# Altium PCB PCB1.PcbDoc (part 1 of 2)
Units mm, origin at the board's own origin, x right, y up, seen from the top; angles counter-clockwise.
Board outline 96.34 x 69.67 mm, 4 copper layers (Top Layer, 2 Layer, 3 Layer, Bottom Layer), stack 1.706 mm thick; 215 components, 152 nets, 687 pads, 296 vias.
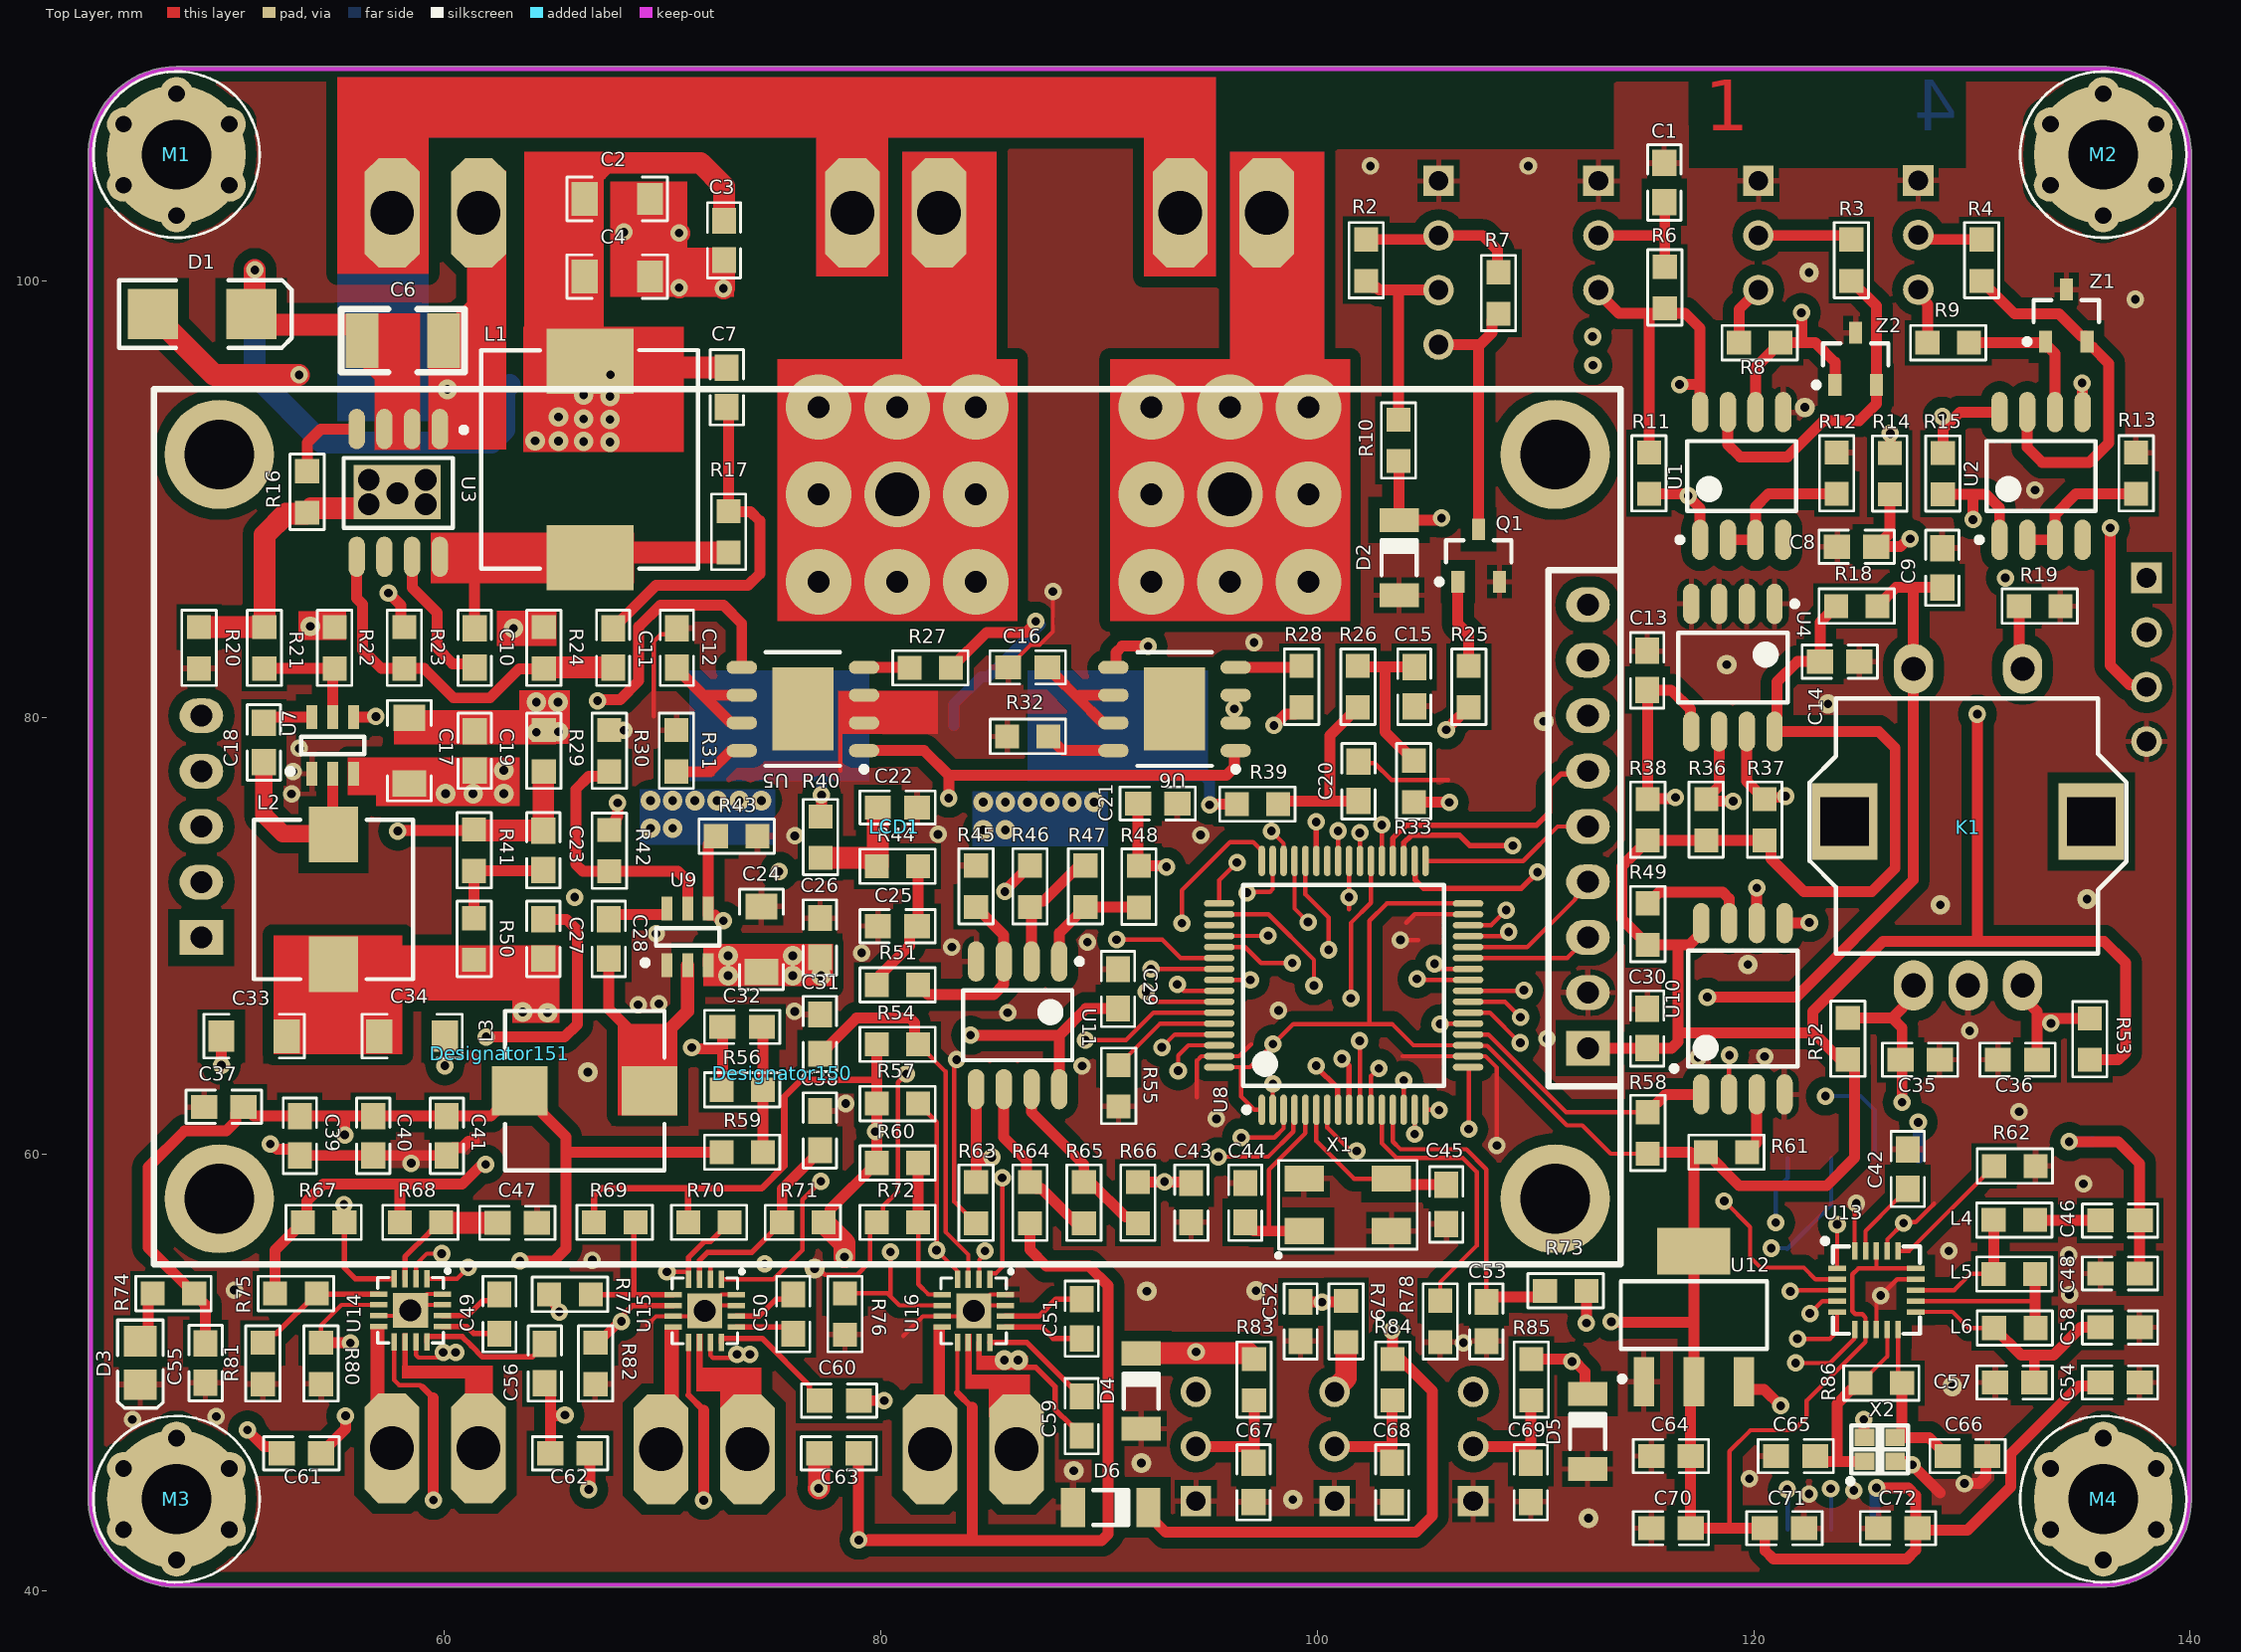
[diagram p0: Top Layer view]
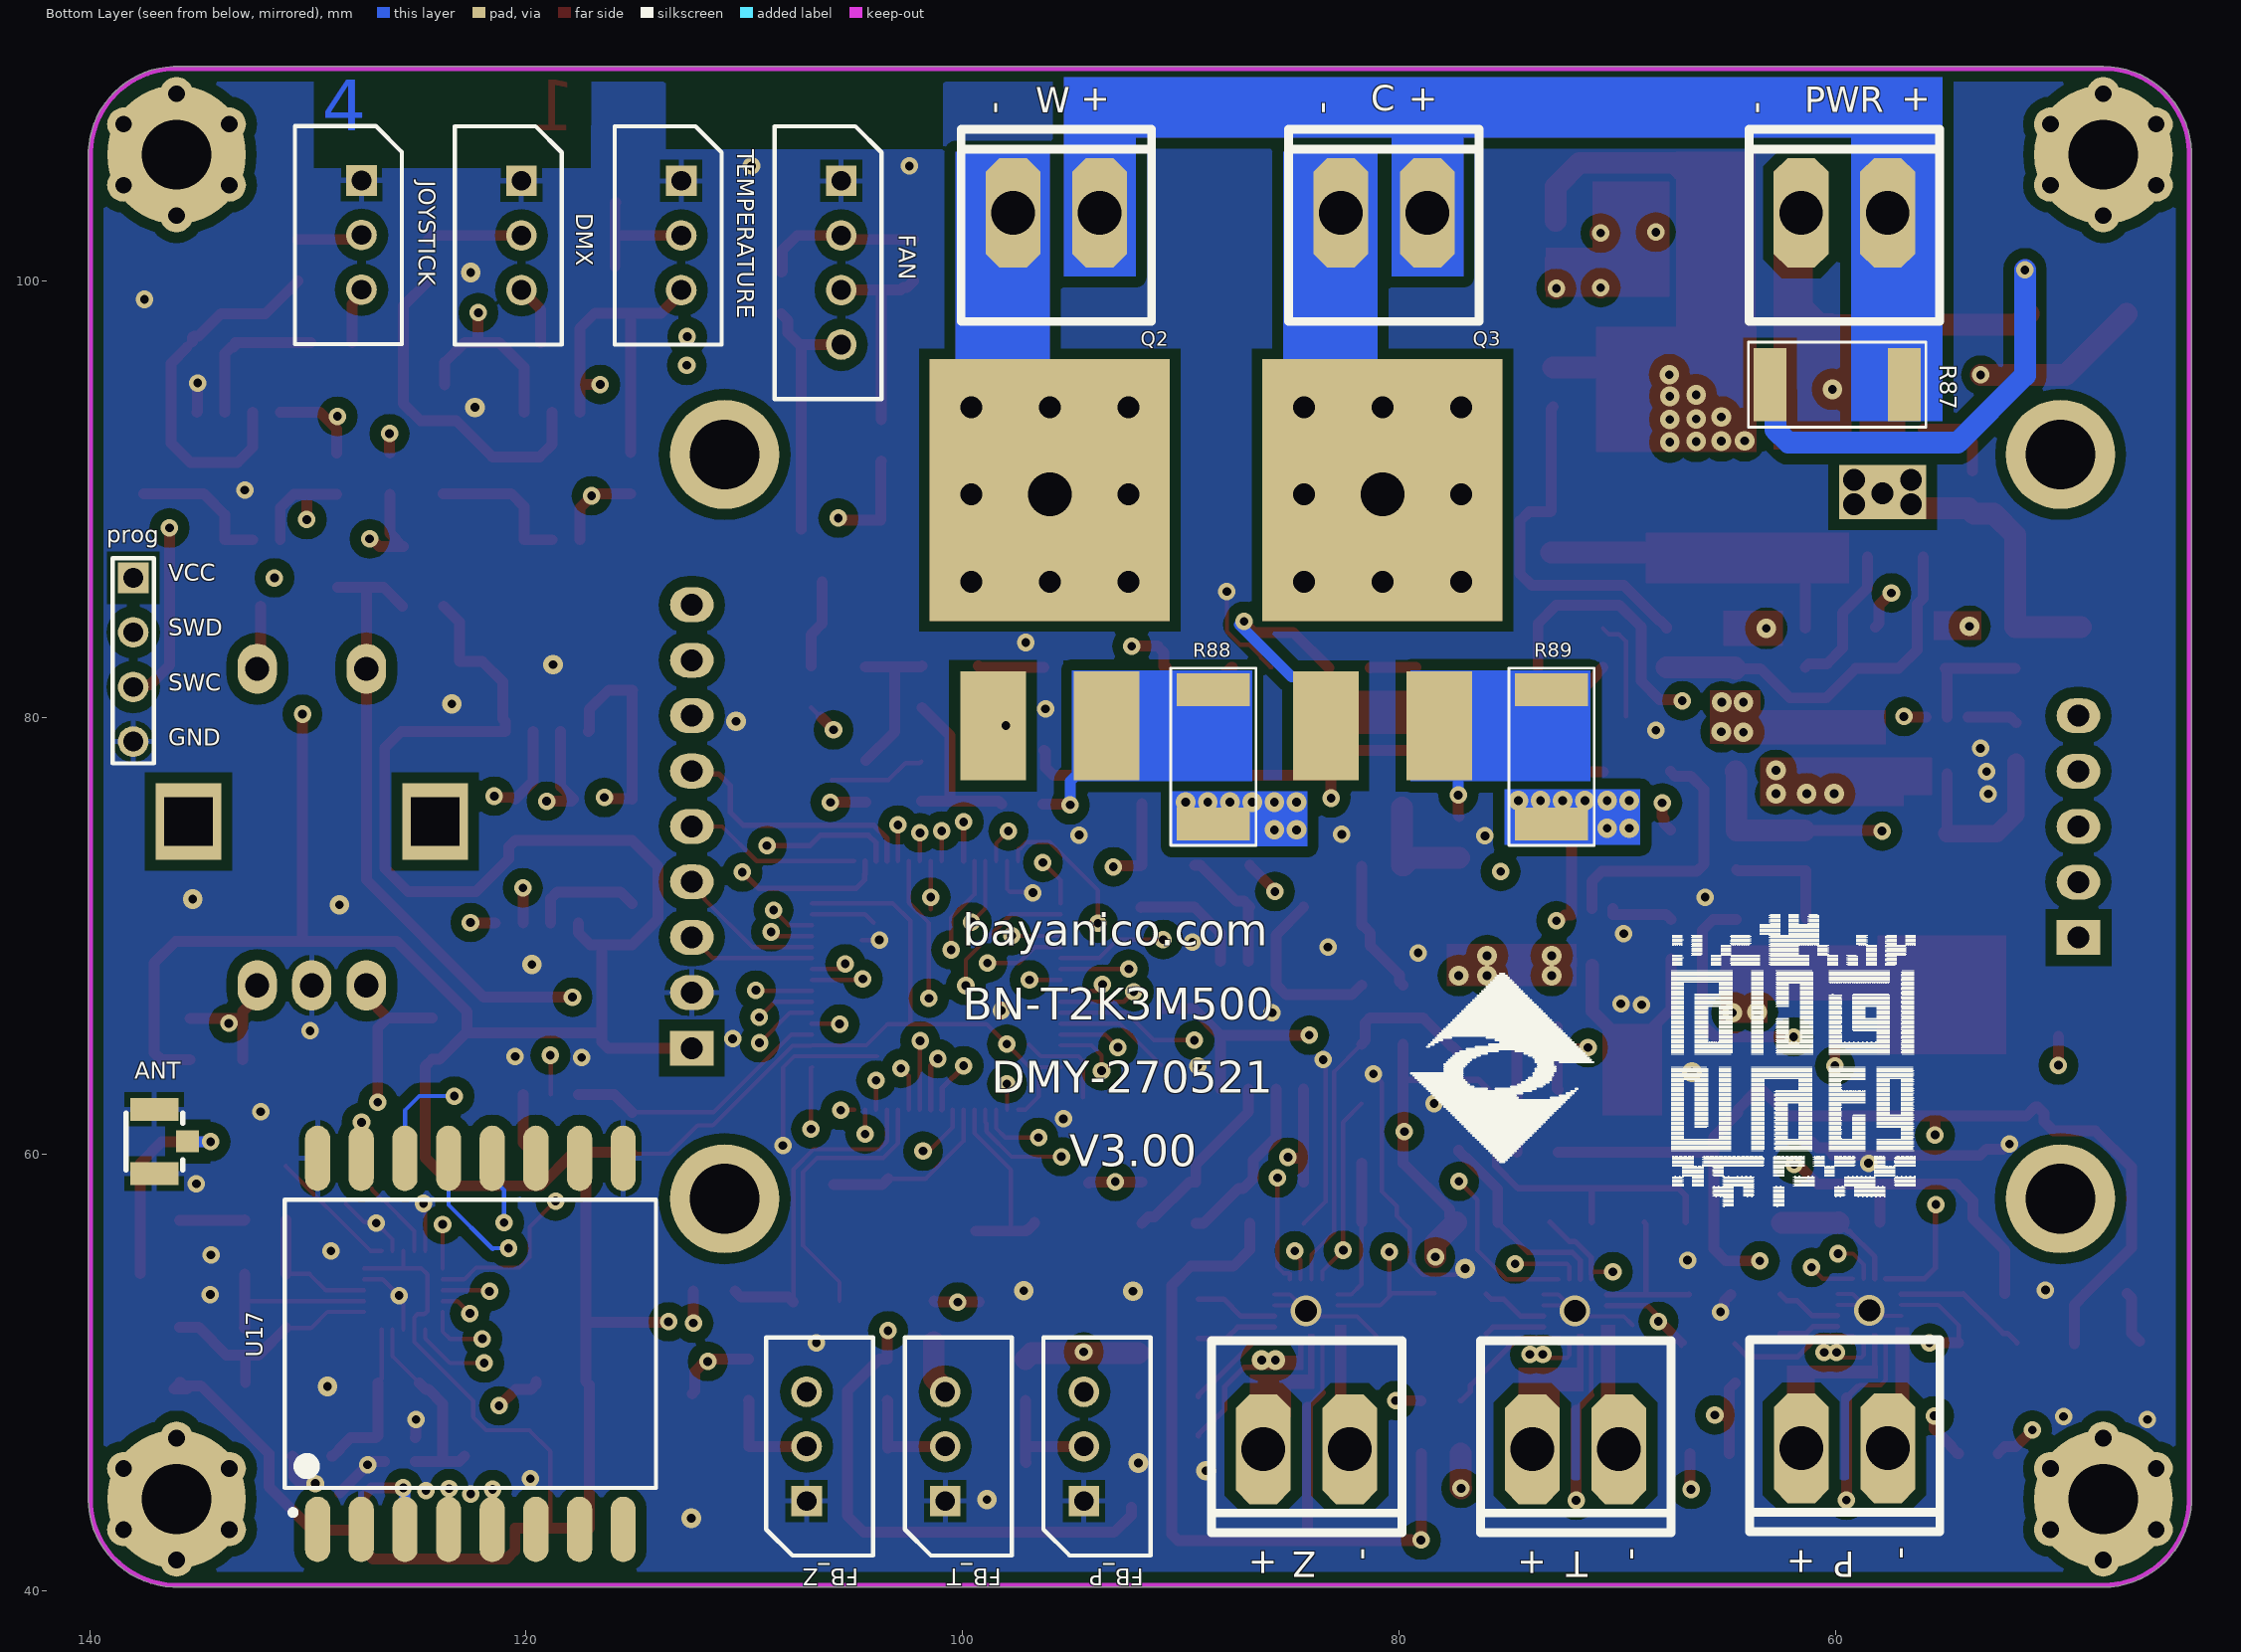
[diagram p1: Bottom Layer view, seen from below]
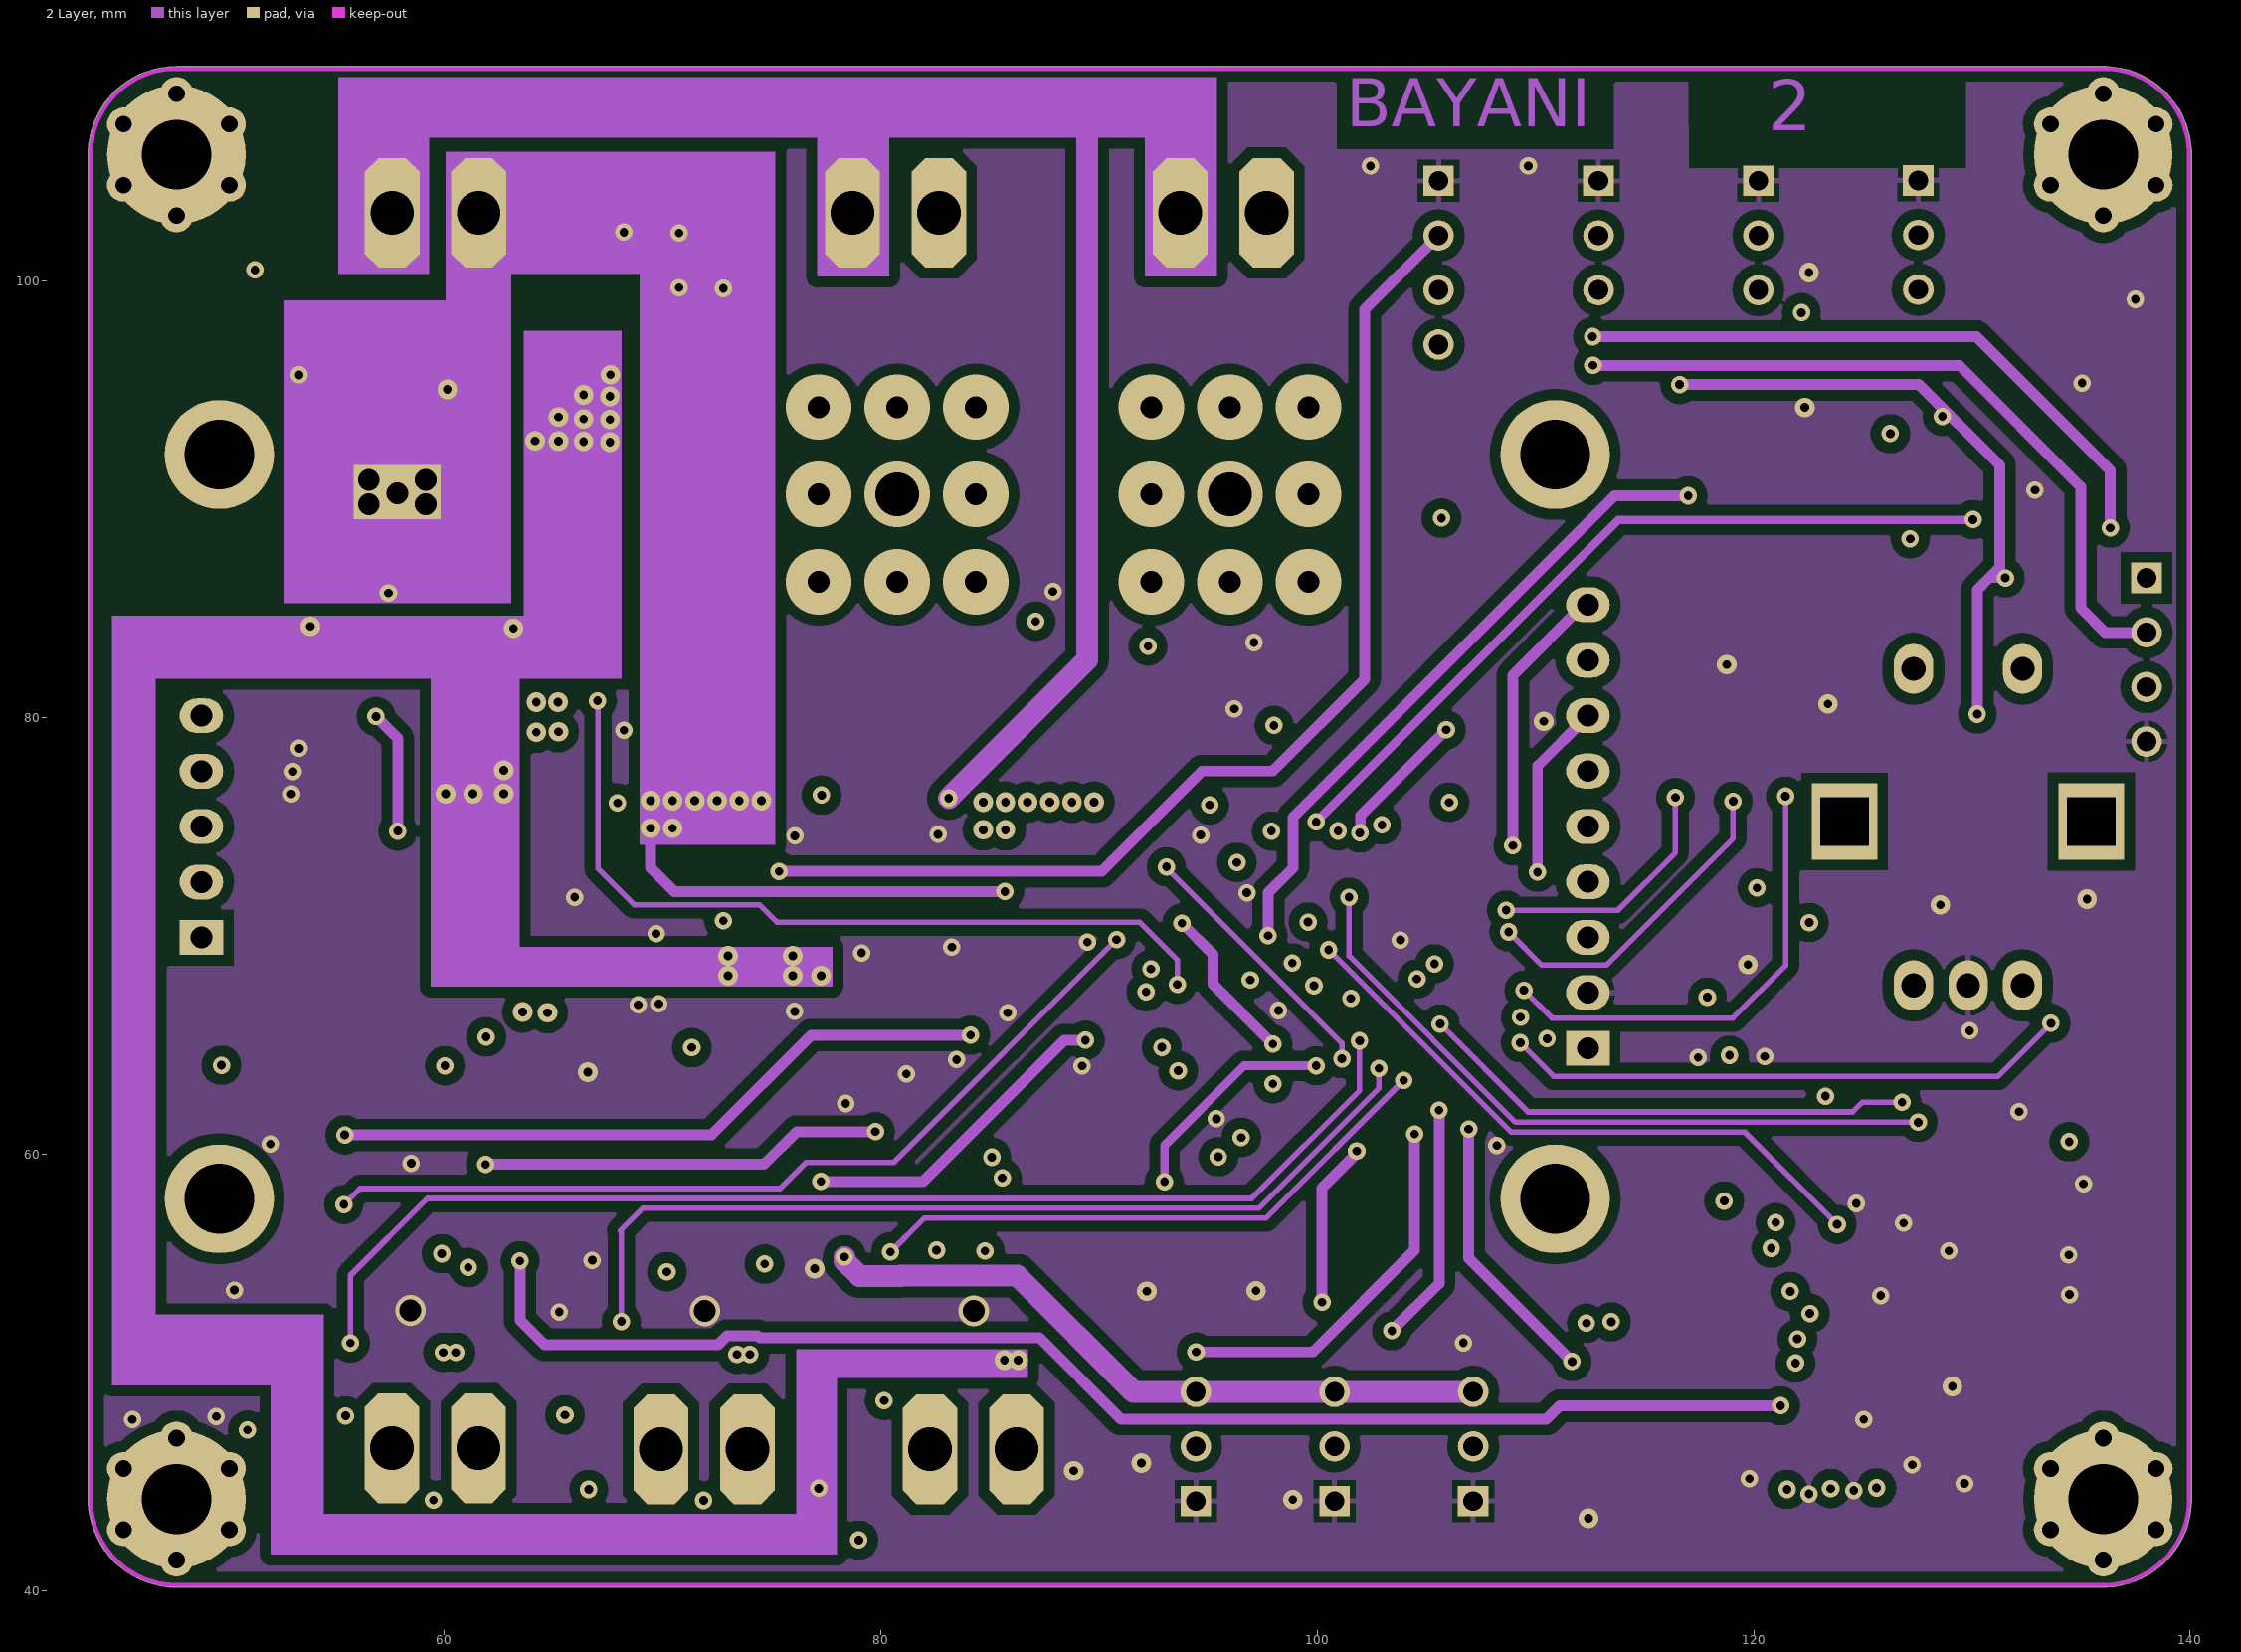
[diagram p2: 2 Layer]
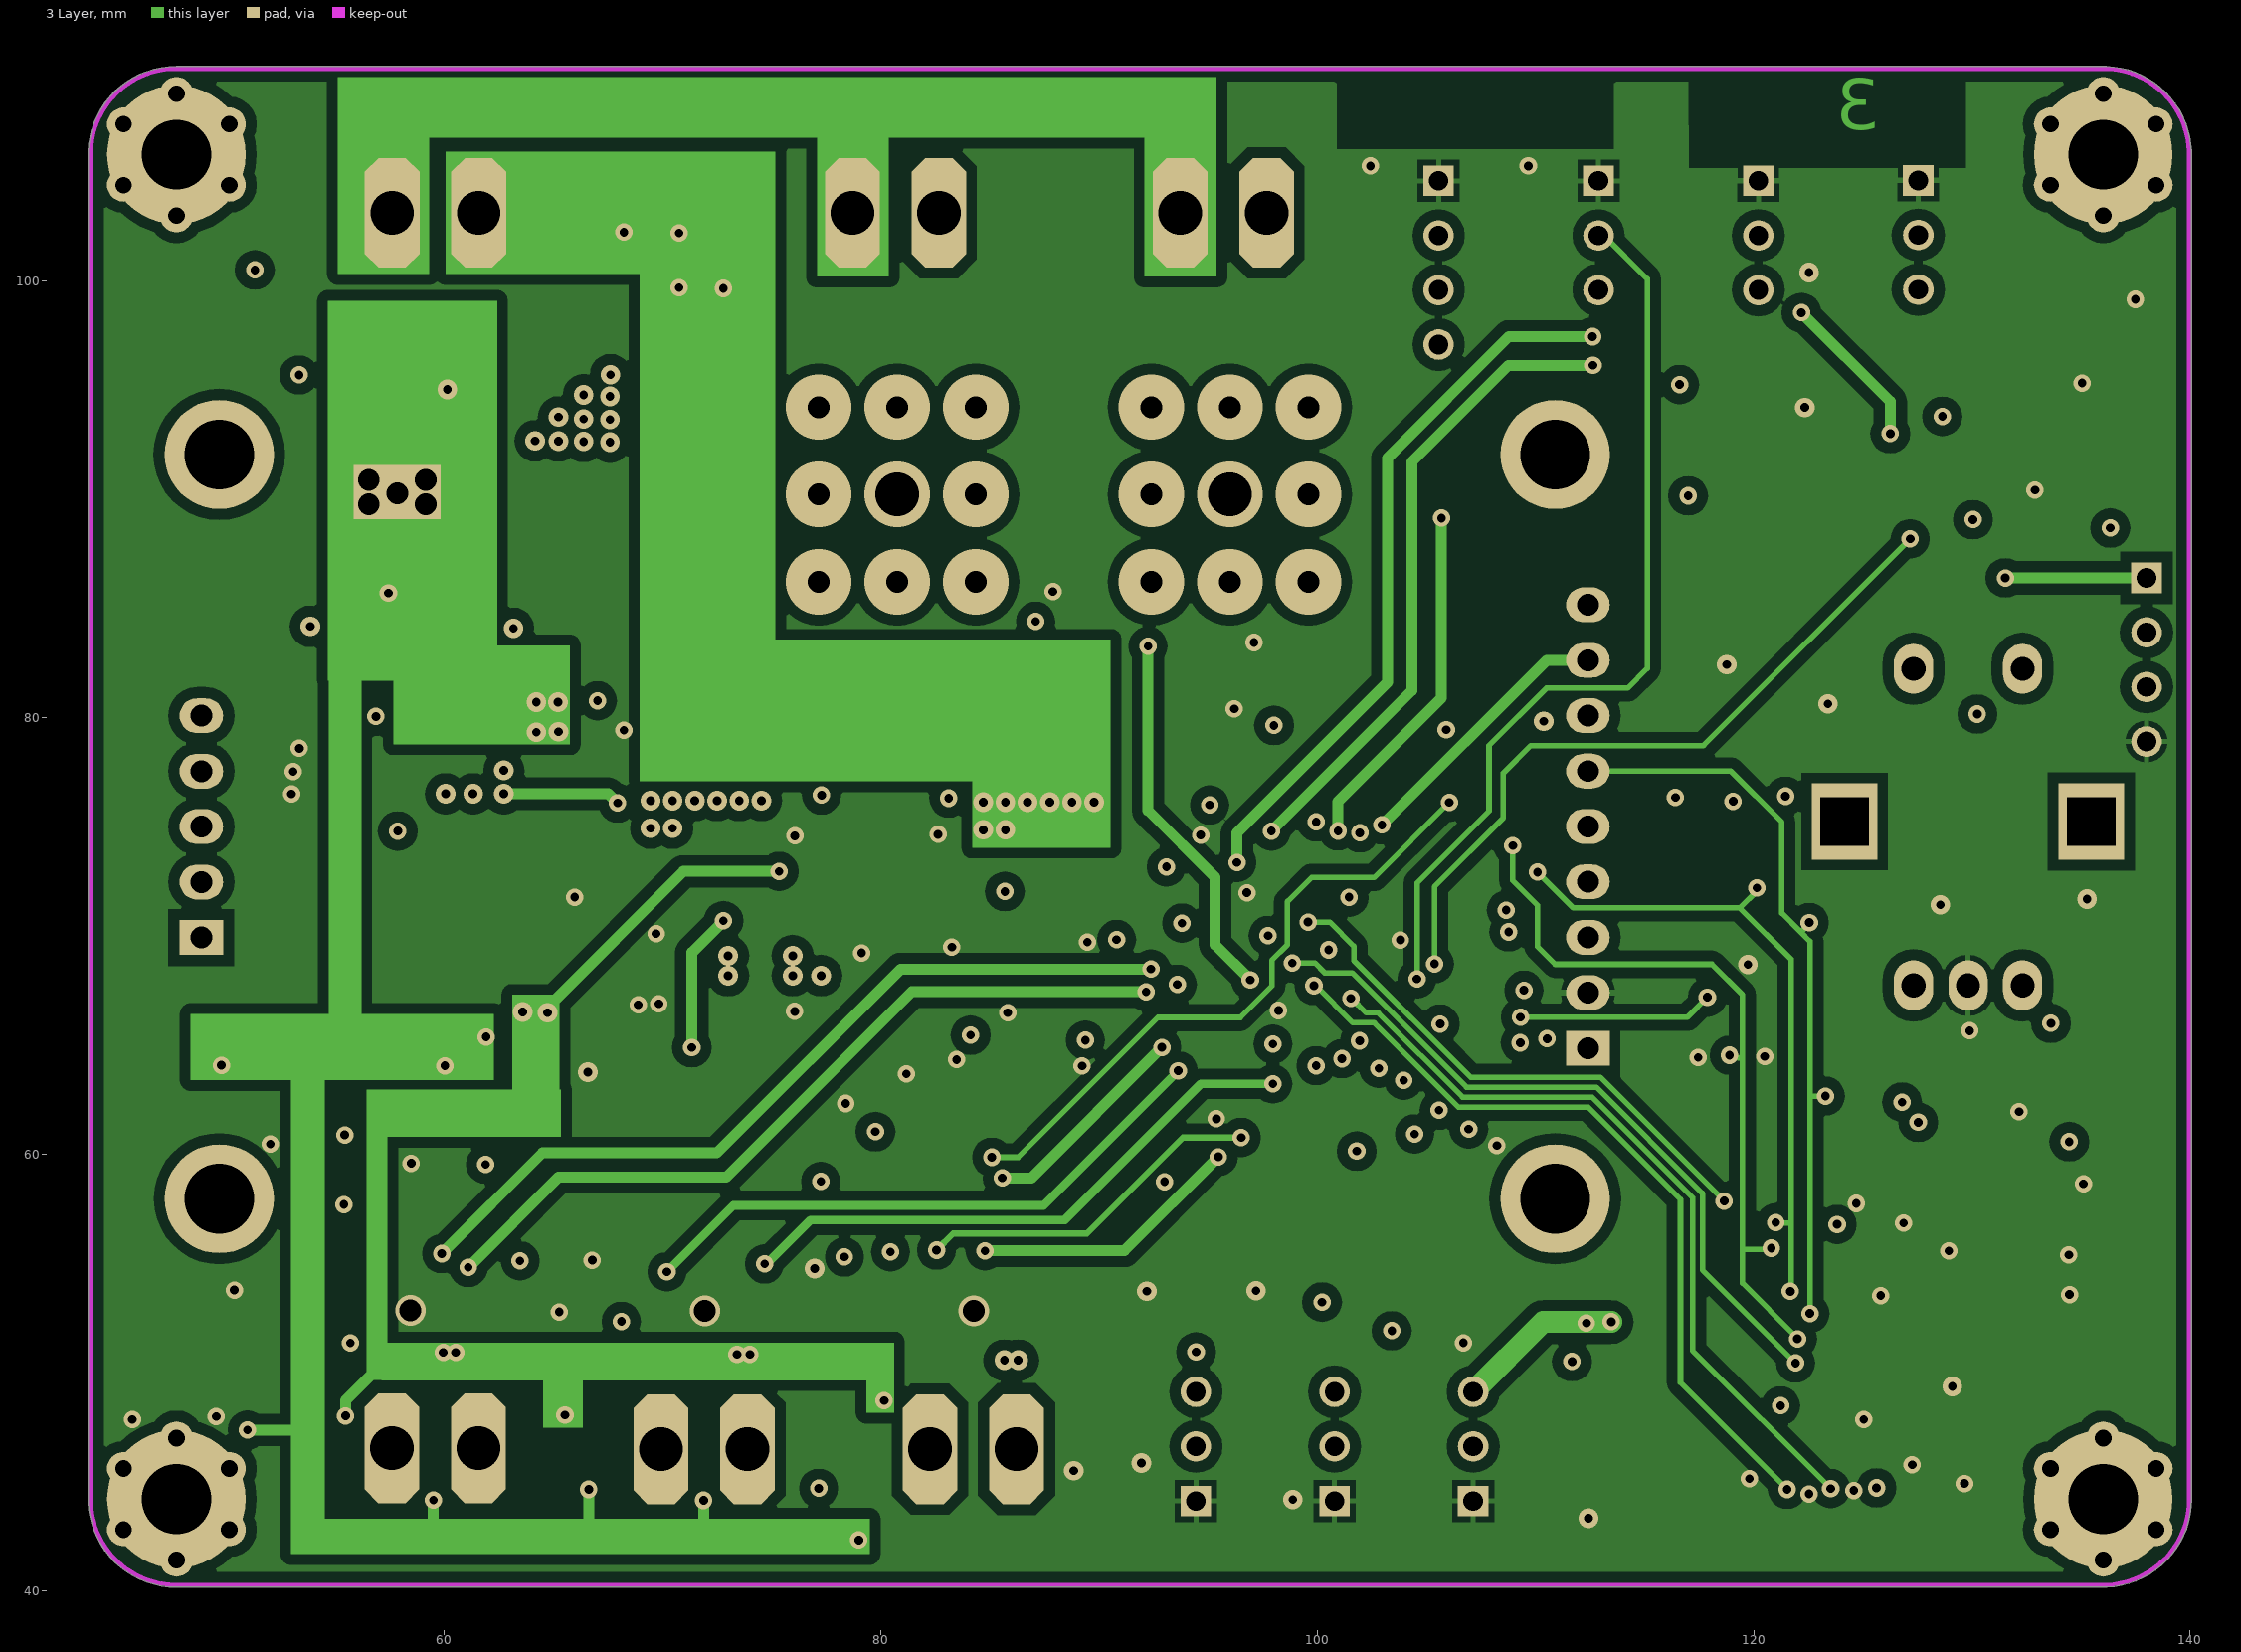
[diagram p3: 3 Layer]
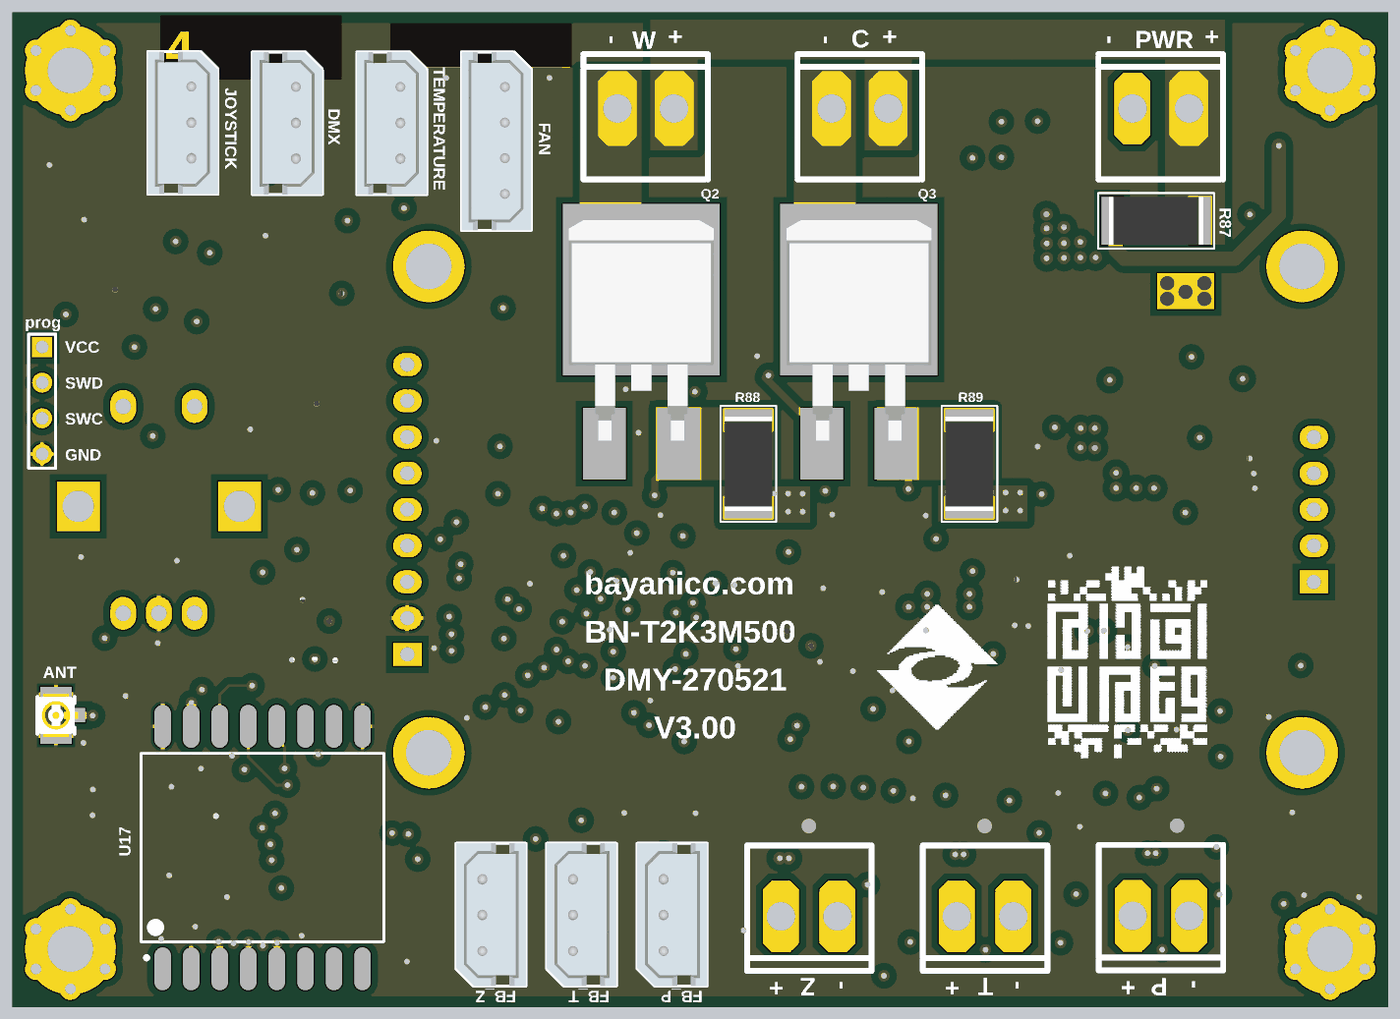
[diagram p5: 3D render of the assembled board from below, using the file's embedded part models]

## Layer stack, top to bottom
Top Solder: solder mask 0.0254, SM-001, Dk 4
Top Layer: signal copper 0.035
Dielectric 1: prepreg 0.2, PP-017, Dk 4.3
2 Layer: signal copper 0.0178
Dielectric 3: core 1.2, Core-039, Dk 4.8
3 Layer: signal copper 0.0178
Dielectric 5: prepreg 0.2, PP-017, Dk 4.3
Bottom Layer: signal copper 0.035
Bottom Solder: solder mask 0.0254, SM-001, Dk 4

## Board outline
43.719,44.066 cw(c43.819,44.069) 43.719,44.069 43.719,105.897 cw(c43.817,105.918) 43.717,105.921 cw(c47.752,105.791) 47.75,109.828 cw(c47.75,109.728) 47.75,109.828 136.142,109.828 cw(c136.142,109.728) 136.165,109.826 cw(c136.015,105.791) 140.049,105.951 cw(c139.954,105.918) 140.054,105.918 140.054,44.196 cw(c139.954,44.196) 140.054,44.196 cw(c136.017,44.198) 136.177,40.164 cw(c136.144,40.259) 136.144,40.159 47.752,40.159 cw(c47.752,40.259) 47.752,40.159 cw(c47.754,44.196)

## Design rules (kind name [scope] priority, off if disabled: settings)
Clearance [All] p1: gap=0.2 ignorepadtopadclearanceinfootprint=FALSE except(0: Arc-Hole Track-Hole SMDPad-Hole THPad-Hole Via-Hole Fill-Hole Poly-Hole Region-Hole Text-Hole; 0.5: Arc-Poly Track-Poly SMDPad-Poly THPad-Poly Via-Poly Fill-Poly Poly-Poly)
PolygonConnect [All] p1: connectstyle=Relief reliefconductorwidth=0.254 reliefentries=4 polygonreliefangle="90 Angle" airgapwidth=0.254
RoutingVias [All] p1: holewidth=0.6 width=1.2 viastyle="Through Hole" minholewidth=0.4 minwidth=0.8 maxholewidth=0.4 maxwidth=0.8
SolderMaskExpansion [All] p1: expansion=0.102
Width [All] p1: maxlimit=1 minlimit=0.2 preferedwidth=0.5 midlayer1_minwidth=0.254 midlayer2_minwidth=0.254 minimp=50.000000 maximp=50.000000 favimp=50.000000
30 further rules are at their usual default settings.

## Components (designator, comment, footprint, x,y, rotation, side; value= is the part's Value field where it differs from the comment)
ANT "Antenna" "IPX Connector" 137.033,60.579 r90 bottom (schematic designator GSM)